# KiCad board panelized.kicad_pcb (continued)
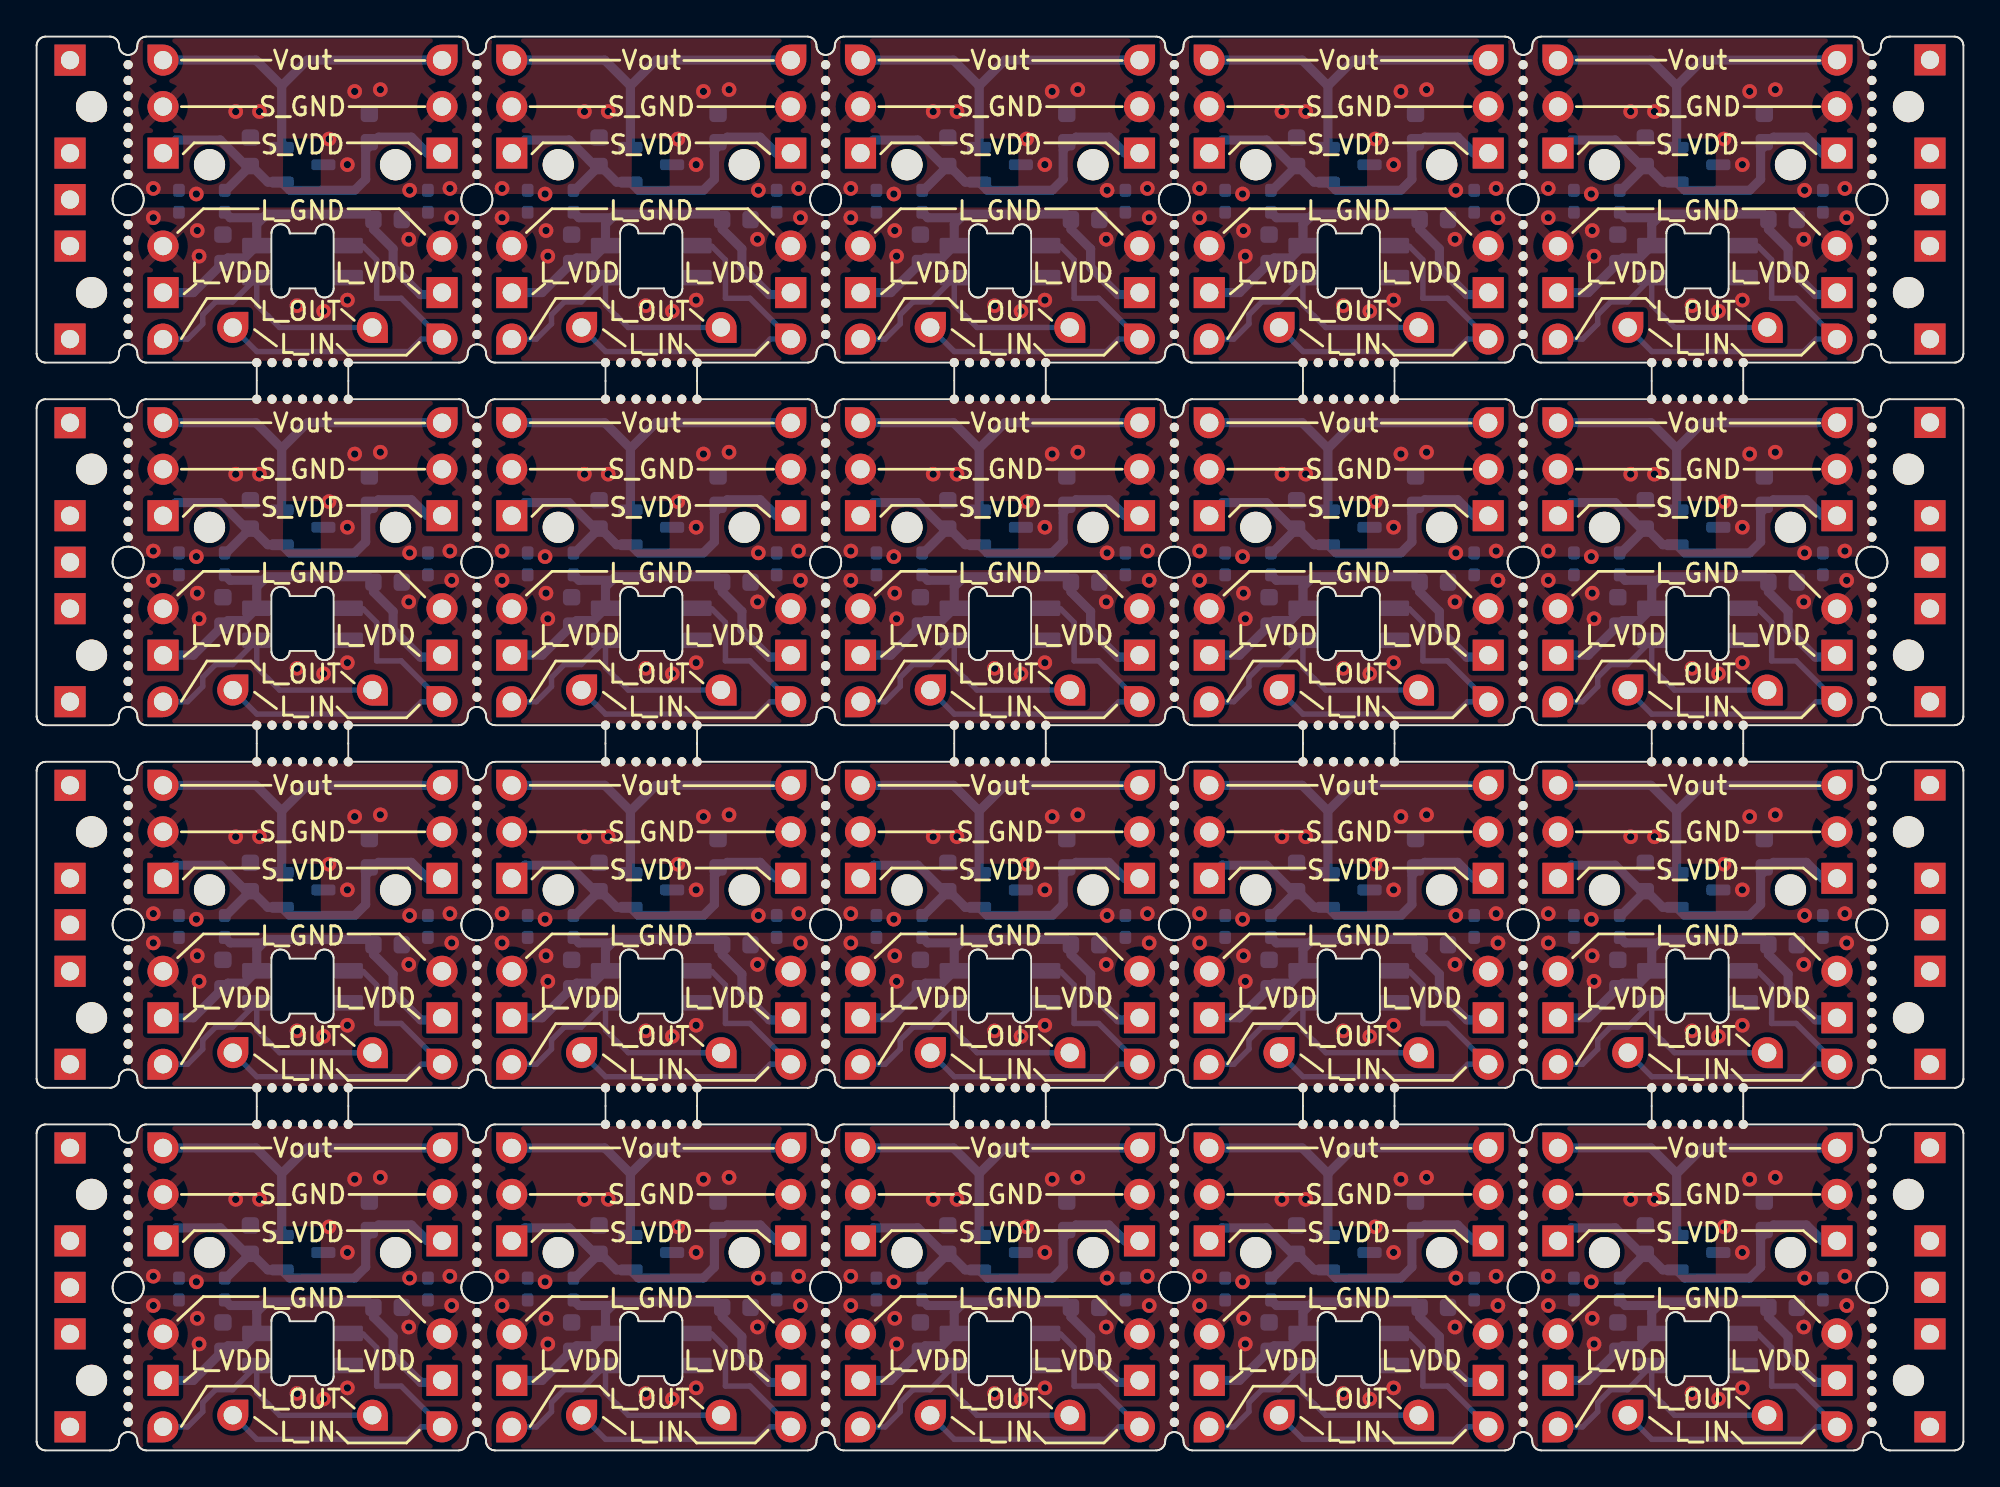
[diagram p0: board, top side]
## Placement (name value [footprint] x y rotation side) (continued)
REF**#373  -  [NPTH]  90.72 57.43 0 top
REF**#374  -  [NPTH]  51.79 19.81 0 top
REF**#375  -  [NPTH]  24.05 64.39 0 top
REF**#376  -  [NPTH]  24.05 3.25 0 top
REF**#377  -  [NPTH]  43.1 21.34 0 top
REF**#378  -  [NPTH]  33.57 39.62 0 top
REF**#379  -  [NPTH]  91.56 17.81 0 top
REF**#380  -  [NPTH]  81.2 10.27 0 top
REF**#381  -  [NPTH]  43.1 42.01 0 top
REF**#382  -  [NPTH]  62.15 49.89 0 top
REF**#383  -  [NPTH]  100.25 64.39 0 top
REF**#384  -  [NPTH]  70.84 39.62 0 top
REF**#385  -  [NPTH]  81.2 43.73 0 top
REF**#386  -  [NPTH]  100.25 72.28 0 top
REF**#387  -  [NPTH]  100.25 31.8 0 top
REF**#388  -  [NPTH]  12.03 57.43 0 top
REF**#389  -  [NPTH]  43.1 33.51 0 top
REF**#390  -  [NPTH]  81.2 42.01 0 top
REF**#391  -  [NPTH]  100.25 7.53 0 top
REF**#392  -  [NPTH]  73.34 39.62 0 top
REF**#393  -  [NPTH]  43.1 66.97 0 top
REF**#394  -  [NPTH]  5 44.58 0 top
REF**#395  -  [NPTH]  88.22 57.43 0 top
REF**#396  -  [NPTH]  100.25 66.11 0 top
REF**#397  -  [NPTH]  62.15 72.28 0 top
REF**#398  -  [NPTH]  17.03 19.81 0 top
REF**#399  -  [NPTH]  55.12 17.81 0 top
REF**#400  -  [NPTH]  100.25 14.56 0 top
REF**#401  -  [NPTH]  24.05 31.8 0 top
REF**#402  -  [NPTH]  70.84 19.81 0 top
REF**#403  -  [NPTH]  35.24 59.43 0 top
REF**#404  -  [NPTH]  5 54.18 0 top
REF**#405  -  [NPTH]  5 10.27 0 top
REF**#406  -  [NPTH]  81.2 46.3 0 top
REF**#407  -  [NPTH]  43.1 53.32 0 top
REF**#408  -  [NPTH]  62.15 23.06 0 top
REF**#409  -  [NPTH]  92.39 57.43 0 top
REF**#410  -  [NPTH]  100.25 11.99 0 top
REF**#411  -  [NPTH]  24.05 11.13 0 top
REF**#412  -  [NPTH]  88.22 17.81 0 top
REF**#413  -  [NPTH]  43.1 13.7 0 top
REF**#414  -  [NPTH]  100.25 47.15 0 top
REF**#415  -  [NPTH]  100.25 70.56 0 top
REF**#416  -  [NPTH]  43.1 30.94 0 top
REF**#417  -  [NPTH]  52.62 57.43 0 top
REF**#418  -  [NPTH]  93.22 57.43 0 top
REF**#419  -  [NPTH]  24.05 26.49 0 top
REF**#420  -  [NPTH]  81.2 27.34 0 top
REF**#421  -  [NPTH]  24.05 60.96 0 top
REF**#422  -  [NPTH]  5 72.28 0 top
REF**#423  -  [NPTH]  43.1 36.08 0 top
REF**#424  -  [NPTH]  24.05 5.82 0 top
REF**#425  -  [NPTH]  24.05 35.23 0 top
REF**#426  -  [NPTH]  17.03 37.62 0 top
REF**#427  -  [NPTH]  5 5.82 0 top
REF**#428  -  [NPTH]  43.1 7.53 0 top
REF**#429  -  [NPTH]  62.15 54.18 0 top
REF**#430  -  [NPTH]  62.15 12.85 0 top
REF**#431  -  [NPTH]  81.2 21.34 0 top
REF**#432  -  [NPTH]  43.1 71.42 0 top
REF**#433  -  [NPTH]  90.72 17.81 0 top
REF**#434  -  [NPTH]  62.15 60.96 0 top
REF**#435  -  [NPTH]  81.2 44.58 0 top
REF**#436  -  [NPTH]  62.15 11.13 0 top
REF**#437  -  [NPTH]  50.96 59.43 0 top
REF**#438  -  [NPTH]  5 60.96 0 top
REF**#439  -  [NPTH]  31.91 17.81 0 top
REF**#440  -  [NPTH]  88.22 37.62 0 top
REF**#441  -  [NPTH]  89.89 17.81 0 top
REF**#442  -  [NPTH]  74.18 17.81 0 top
REF**#443  -  [NPTH]  81.2 47.15 0 top
REF**#444  -  [NPTH]  100.25 30.08 0 top
REF**#445  -  [NPTH]  17.03 59.43 0 top
REF**#446  -  [NPTH]  62.15 75.7 0 top
REF**#447  -  [NPTH]  12.03 17.81 0 top
REF**#448  -  [NPTH]  24.05 69.7 0 top
REF**#449  -  [NPTH]  52.62 59.43 0 top
REF**#450  -  [NPTH]  15.36 59.43 0 top
REF**#451  -  [NPTH]  54.29 59.43 0 top
REF**#452  -  [NPTH]  93.22 19.81 0 top
REF**#453  -  [NPTH]  92.39 19.81 0 top
REF**#454  -  [NPTH]  62.15 42.87 0 top
REF**#455  -  [NPTH]  5 1.53 0 top
REF**#456  -  [NPTH]  81.2 3.25 0 top
REF**#457  -  [NPTH]  24.05 49.89 0 top
REF**#458  -  [NPTH]  13.69 19.81 0 top
REF**#459  -  [NPTH]  24.05 47.15 0 top
REF**#460  -  [NPTH]  74.18 39.62 0 top
REF**#461  -  [NPTH]  81.2 65.25 0 top
REF**#462  -  [NPTH]  15.36 17.81 0 top
REF**#463  -  [NPTH]  24.05 44.58 0 top
REF**#464  -  [NPTH]  13.69 17.81 0 top
REF**#465  -  [NPTH]  24.05 74.85 0 top
REF**#466  -  [NPTH]  81.2 49.89 0 top
REF**#467  -  [NPTH]  50.12 57.43 0 top
REF**#468  -  [NPTH]  5 69.7 0 top
REF**#469  -  [NPTH]  100.25 51.61 0 top
REF**#470  -  [NPTH]  17.03 57.43 0 top
REF**#471  -  [NPTH]  16.19 19.81 0 top
REF**#472  -  [NPTH]  100.25 42.87 0 top
REF**#473  -  [NPTH]  5 32.66 0 top
REF**#474  -  [NPTH]  81.2 23.92 0 top
REF**#475  -  [NPTH]  43.1 62.68 0 top
REF**#476  -  [NPTH]  89.89 37.62 0 top
REF**#477  -  [NPTH]  62.15 69.7 0 top
REF**#478  -  [NPTH]  69.18 17.81 0 top
REF**#479  -  [NPTH]  33.57 37.62 0 top
REF**#480  -  [NPTH]  62.15 66.11 0 top
REF**#481  -  [NPTH]  62.15 45.44 0 top
REF**#482  -  [NPTH]  81.2 69.7 0 top
REF**#483  -  [NPTH]  5 63.54 0 top
REF**#484  -  [NPTH]  24.05 16.27 0 top
REF**#485  -  [NPTH]  5 71.42 0 top
REF**#486  -  [NPTH]  100.25 73.99 0 top
REF**#487  -  [NPTH]  32.74 59.43 0 top
REF**#488  -  [NPTH]  62.15 2.39 0 top
REF**#489  -  [NPTH]  15.36 37.62 0 top
REF**#490  -  [NPTH]  100.25 44.58 0 top
REF**#491  -  [NPTH]  51.79 37.62 0 top
REF**#492  -  [NPTH]  43.1 5.82 0 top
REF**#493  -  [NPTH]  50.96 57.43 0 top
REF**#494  -  [NPTH]  81.2 61.82 0 top
REF**#495  -  [NPTH]  62.15 26.49 0 top
REF**#496  -  [NPTH]  81.2 72.28 0 top
REF**#497  -  [NPTH]  54.29 17.81 0 top
REF**#498  -  [NPTH]  43.1 64.39 0 top
REF**#499  -  [NPTH]  100.25 74.85 0 top
REF**#500  -  [NPTH]  24.05 4.96 0 top
REF**#501  -  [NPTH]  70.01 19.81 0 top
REF**#502  -  [NPTH]  62.15 30.94 0 top
REF**#503  -  [NPTH]  81.2 63.54 0 top
REF**#504  -  [NPTH]  17.03 39.62 0 top
REF**#505  -  [NPTH]  43.1 44.58 0 top
REF**#506  -  [NPTH]  90.72 59.43 0 top
REF**#507  -  [NPTH]  24.05 12.85 0 top
REF**#508  -  [NPTH]  43.1 73.99 0 top
REF**#509  -  [NPTH]  43.1 51.61 0 top
REF**#510  -  [NPTH]  92.39 37.62 0 top
REF**#511  -  [NPTH]  31.08 57.43 0 top
REF**#512  -  [NPTH]  62.15 51.61 0 top
REF**#513  -  [NPTH]  51.79 39.62 0 top
REF**#514  -  [NPTH]  32.74 17.81 0 top
REF**#515  -  [NPTH]  5 43.73 0 top
REF**#516  -  [NPTH]  5 73.99 0 top
REF**#517  -  [NPTH]  34.41 19.81 0 top
REF**#518  -  [NPTH]  100.25 73.13 0 top
REF**#519  -  [NPTH]  43.1 73.13 0 top
REF**#520  -  [NPTH]  43.1 16.27 0 top
REF**#521  -  [NPTH]  34.41 39.62 0 top
REF**#522  -  [NPTH]  100.25 42.01 0 top
REF**#523  -  [NPTH]  100.25 22.2 0 top
REF**#524  -  [NPTH]  24.05 1.53 0 top
REF**#525  -  [NPTH]  24.05 46.3 0 top
REF**#526  -  [NPTH]  31.91 19.81 0 top
REF**#527  -  [NPTH]  31.08 37.62 0 top
REF**#528  -  [NPTH]  73.34 17.81 0 top
REF**#529  -  [NPTH]  5 34.37 0 top
REF**#530  -  [NPTH]  43.1 6.68 0 top
REF**#531  -  [NPTH]  16.19 59.43 0 top
REF**#532  -  [NPTH]  89.06 39.62 0 top
REF**#533  -  [NPTH]  62.15 62.68 0 top
REF**#534  -  [NPTH]  55.12 39.62 0 top
REF**#535  -  [NPTH]  54.29 19.81 0 top
REF**#536  -  [NPTH]  91.56 57.43 0 top
REF**#537  -  [NPTH]  62.15 36.08 0 top
REF**#538  -  [NPTH]  62.15 14.56 0 top
REF**#539  -  [NPTH]  15.36 19.81 0 top
REF**#540  -  [NPTH]  81.2 54.18 0 top
REF**#541  -  [NPTH]  43.1 34.37 0 top
REF**#542  -  [NPTH]  5 36.08 0 top
REF**#543  -  [NPTH]  5 35.23 0 top
REF**#544  -  [NPTH]  81.2 55.89 0 top
REF**#545  -  [NPTH]  5 13.7 0 top
REF**#546  -  [NPTH]  24.05 53.32 0 top
REF**#547  -  [NPTH]  81.2 34.37 0 top
REF**#548  -  [NPTH]  72.51 17.81 0 top
REF**#549  -  [NPTH]  53.46 37.62 0 top
REF**#550  -  [NPTH]  72.51 19.81 0 top
REF**#551  -  [NPTH]  24.05 66.97 0 top
REF**#552  -  [NPTH]  81.2 31.8 0 top
REF**#553  -  [NPTH]  92.39 17.81 0 top
REF**#554  -  [NPTH]  69.18 59.43 0 top
REF**#555  -  [NPTH]  81.2 51.61 0 top
REF**#556  -  [NPTH]  24.05 71.42 0 top
REF**#557  -  [NPTH]  93.22 59.43 0 top
REF**#558  -  [NPTH]  5 73.13 0 top
REF**#559  -  [NPTH]  81.2 33.51 0 top
REF**#560  -  [NPTH]  81.2 64.39 0 top
REF**#561  -  [NPTH]  70.01 39.62 0 top
REF**#562  -  [NPTH]  89.89 39.62 0 top
REF**#563  -  [NPTH]  32.74 19.81 0 top
REF**#564  -  [NPTH]  5 27.34 0 top
REF**#565  -  [NPTH]  31.91 57.43 0 top
REF**#566  -  [NPTH]  12.86 37.62 0 top
REF**#567  -  [NPTH]  24.05 6.68 0 top
REF**#568  -  [NPTH]  43.1 26.49 0 top
REF**#569  -  [NPTH]  31.08 39.62 0 top
REF**#570  -  [NPTH]  62.15 5.82 0 top
REF**#571  -  [NPTH]  16.19 17.81 0 top
REF**#572  -  [NPTH]  24.05 41.15 0 top
REF**#573  -  [NPTH]  12.03 39.62 0 top
REF**#574  -  [NPTH]  62.15 15.42 0 top
REF**#575  -  [NPTH]  24.05 14.56 0 top
REF**#576  -  [NPTH]  24.05 54.18 0 top
REF**#577  -  [NPTH]  33.57 59.43 0 top
REF**#578  -  [NPTH]  62.15 50.75 0 top
REF**#579  -  [NPTH]  43.1 3.25 0 top
REF**#580  -  [NPTH]  55.12 19.81 0 top
REF**#581  -  [NPTH]  5 61.82 0 top
REF**#582  -  [NPTH]  100.25 4.11 0 top
REF**#583  -  [NPTH]  12.03 19.81 0 top
REF**#584  -  [NPTH]  73.34 57.43 0 top
REF**#585  -  [NPTH]  5 51.61 0 top
REF**#586  -  [NPTH]  71.68 57.43 0 top
REF**#587  -  [NPTH]  91.56 39.62 0 top
REF**#588  -  [NPTH]  90.72 37.62 0 top
REF**#589  -  [NPTH]  43.1 69.7 0 top
REF**#590  -  [NPTH]  81.2 11.99 0 top
REF**#591  -  [NPTH]  24.05 70.56 0 top
REF**#592  -  [NPTH]  100.25 2.39 0 top
REF**#593  -  [NPTH]  50.96 39.62 0 top
REF**#594  -  [NPTH]  5 14.56 0 top
SW  -  [SW_Lekker_MX_1.00u_PCB]  90.72 70.24 180 top
SW#2  -  [SW_Lekker_MX_1.00u_PCB]  52.62 30.62 180 top
SW#3  -  [SW_Lekker_MX_1.00u_PCB]  71.68 10.81 180 top
SW#4  -  [SW_Lekker_MX_1.00u_PCB]  14.53 70.24 180 top
SW#5  -  [SW_Lekker_MX_1.00u_PCB]  90.72 10.81 180 top
SW#6  -  [SW_Lekker_MX_1.00u_PCB]  14.53 30.62 180 top
SW#7  -  [SW_Lekker_MX_1.00u_PCB]  14.53 50.43 180 top
SW#8  -  [SW_Lekker_MX_1.00u_PCB]  14.53 10.81 180 top
SW#9  -  [SW_Lekker_MX_1.00u_PCB]  90.72 30.62 180 top
SW#10  -  [SW_Lekker_MX_1.00u_PCB]  33.57 70.24 180 top
SW#11  -  [SW_Lekker_MX_1.00u_PCB]  71.68 70.24 180 top
SW#12  -  [SW_Lekker_MX_1.00u_PCB]  71.68 50.43 180 top
SW#13  -  [SW_Lekker_MX_1.00u_PCB]  33.57 50.43 180 top
SW#14  -  [SW_Lekker_MX_1.00u_PCB]  52.62 50.43 180 top
SW#15  -  [SW_Lekker_MX_1.00u_PCB]  52.62 70.24 180 top
SW#16  -  [SW_Lekker_MX_1.00u_PCB]  33.57 30.62 180 top
SW#17  -  [SW_Lekker_MX_1.00u_PCB]  90.72 50.43 180 top
SW#18  -  [SW_Lekker_MX_1.00u_PCB]  71.68 30.62 180 top
SW#19  -  [SW_Lekker_MX_1.00u_PCB]  33.57 10.81 180 top
SW#20  -  [SW_Lekker_MX_1.00u_PCB]  52.62 10.81 180 top
U1  SLSS49E  [SOT-23-3]  52.62 70.24 0 bottom
U1#2  SLSS49E  [SOT-23-3]  52.62 50.43 0 bottom
U1#3  SLSS49E  [SOT-23-3]  14.53 30.62 0 bottom
U1#4  SLSS49E  [SOT-23-3]  14.53 50.43 0 bottom
U1#5  SLSS49E  [SOT-23-3]  71.68 50.43 0 bottom
U1#6  SLSS49E  [SOT-23-3]  52.62 30.62 0 bottom
U1#7  SLSS49E  [SOT-23-3]  33.57 30.62 0 bottom
U1#8  SLSS49E  [SOT-23-3]  33.57 50.43 0 bottom
U1#9  SLSS49E  [SOT-23-3]  90.72 70.24 0 bottom
U1#10  SLSS49E  [SOT-23-3]  90.72 50.43 0 bottom
U1#11  SLSS49E  [SOT-23-3]  14.53 70.24 0 bottom
U1#12  SLSS49E  [SOT-23-3]  71.68 10.81 0 bottom
U1#13  SLSS49E  [SOT-23-3]  71.68 30.62 0 bottom
U1#14  SLSS49E  [SOT-23-3]  90.72 30.62 0 bottom
U1#15  SLSS49E  [SOT-23-3]  33.57 10.81 0 bottom
U1#16  SLSS49E  [SOT-23-3]  52.62 10.81 0 bottom
U1#17  SLSS49E  [SOT-23-3]  14.53 10.81 0 bottom
U1#18  SLSS49E  [SOT-23-3]  33.57 70.24 0 bottom
U1#19  SLSS49E  [SOT-23-3]  90.72 10.81 0 bottom
U1#20  SLSS49E  [SOT-23-3]  71.68 70.24 0 bottom

## Library data of the parts
C1 C1#2-C1#20 C2 C2#2-C2#20 C3 C3#2-C3#20 C4 C4#2-C4#20 = -: Description: Unpolarized capacitor
J1 J1#2-J1#20 J2 J2#2-J2#20 J3 J3#2-J3#20 J4 J4#2-J4#20 J5 J5#2-J5#20 J6 J6#2-J6#20 J7 J7#2-J7#20 J8 J8#2-J8#20 J9 J9#2-J9#20 J10 J10#2-J10#20 J11 J11#2-J11#20 J12 J12#2-J12#20 J13 J13#2-J13#20 J14 J14#2-J14#20 = -: Description: Generic connector, single row, 01x01, script generated
R1 R1#2-R1#20 R2 R2#2-R2#20 R3 R3#2-R3#20 = -: Description: Resistor

## Footprints (pads in the part's own frame, mm; a bottom-side part is the same pattern mirrored in y, then rotated)
C_0603_1608Metric
  rrect 0.9x0.95 smd: 1(-0.775,0) 2(0.775,0)
NPTH
  round 0.5 hole 0.5 unplated: (0,0)
NPTH#2
  round 1.7 hole 1.7 unplated: (0,0)
PinHeader_1x01_P2.54mm_Vertical
  custom 1.7x1.7 hole 1: 1(0,0)
PinHeader_1x01_P2.54mm_Vertical#2
  rect 1.7x1.7 hole 1: 1(0,0)
PinHeader_1x01_P2.54mm_Vertical#3
  round 1.7 hole 1: 1(0,0)
R_0402_1005Metric_Pad0.72x0.64mm_HandSolder
  rrect 0.715x0.64 smd: 1(-0.598,0) 2(0.598,0)
SK6812_mini_e_flipable
  rrect 1.6x0.85 smd: 1(-2.5,-0.875) 2(-2.5,0.875) 3(2.5,0.875) 4(2.5,-0.875)
SOT-23-3
  rrect 1.325x0.6 smd: 1(-1.137,0.95) 2(-1.137,-0.95) 3(1.137,0)
SW_Lekker_MX_1.00u_PCB
  round 1.7 hole 1.7 unplated: (-5.08,0) (5.08,0)
unnamed
  rect 1.7x1.7 hole 1: 1(0,0)

## Nets
Board_0-GNDA: C3#10.1 C4#6.1 J3#14.1 J4#8.1 R1.2 R2#5.2 U1#11.3
Board_0-GNDD: C1#3.1 C2#4.1 D1#6.3 J7#4.1 J8#5.1 R1.1 R2#5.1
Board_0-LED_IN: D1#6.4 J13#11.1 J14#3.1
Board_0-LED_OUT: D1#6.2 J11#10.1 J12#13.1
Board_0-VDD: C1#3.2 C2#4.2 D1#6.1 J1#14.1 J2#8.1 R3#6.1
Board_0-VDDA: C3#10.2 C4#6.2 J5#3.1 J6#6.1 R3#6.2 U1#11.1
Board_0-Vout: J9#13.1 J10#17.1 U1#11.2
Board_1-GNDA: C3#13.1 C4#16.1 J3.1 J4#7.1 R1#10.2 R2#4.2 U1#18.3
Board_1-GNDD: C1#10.1 C2#10.1 D1#12.3 J7#16.1 J8.1 R1#10.1 R2#4.1
Board_1-LED_IN: D1#12.4 J13#16.1 J14#2.1
Board_1-LED_OUT: D1#12.2 J11#19.1 J12#10.1
Board_1-VDD: C1#10.2 C2#10.2 D1#12.1 J1#7.1 J2#3.1 R3#16.1
Board_1-VDDA: C3#13.2 C4#16.2 J5#7.1 J6.1 R3#16.2 U1#18.1
Board_1-Vout: J9#15.1 J10#2.1 U1#18.2
Board_2-GNDA: C3#17.1 C4#3.1 J3#2.1 J4#10.1 R1#11.2 R2#2.2 U1.3
Board_2-GNDD: C1#12.1 C2.1 D1#13.3 J7#3.1 J8#16.1 R1#11.1 R2#2.1
Board_2-LED_IN: D1#13.4 J13#20.1 J14#14.1
Board_2-LED_OUT: D1#13.2 J11#6.1 J12#16.1
Board_2-VDD: C1#12.2 C2.2 D1#13.1 J1#11.1 J2#11.1 R3#7.1
Board_2-VDDA: C3#17.2 C4#3.2 J5#2.1 J6#14.1 R3#7.2 U1.1
Board_2-Vout: J9#11.1 J10.1 U1.2
Board_3-GNDA: C3#11.1 C4#7.1 J3#17.1 J4#5.1 R1#2.2 R2#3.2 U1#20.3
Board_3-GNDD: C1#5.1 C2#19.1 D1#14.3 J7#15.1 J8#8.1 R1#2.1 R2#3.1
Board_3-LED_IN: D1#14.4 J13#3.1 J14.1
Board_3-LED_OUT: D1#14.2 J11#5.1 J12#15.1
Board_3-VDD: C1#5.2 C2#19.2 D1#14.1 J1#9.1 J2#13.1 R3#13.1
Board_3-VDDA: C3#11.2 C4#7.2 J5#6.1 J6#12.1 R3#13.2 U1#20.1
Board_3-Vout: J9#12.1 J10#4.1 U1#20.2
Board_4-GNDA: C3#12.1 C4.1 J3#4.1 J4#9.1 R1#3.2 R2#16.2 U1#9.3
Board_4-GNDD: C1#2.1 C2#9.1 D1#7.3 J7#7.1 J8#3.1 R1#3.1 R2#16.1
Board_4-LED_IN: D1#7.4 J13#10.1 J14#7.1
Board_4-LED_OUT: D1#7.2 J11#3.1 J12#14.1
Board_4-VDD: C1#2.2 C2#9.2 D1#7.1 J1#13.1 J2#10.1 R3#8.1
Board_4-VDDA: C3#12.2 C4.2 J5#4.1 J6#10.1 R3#8.2 U1#9.1
Board_4-Vout: J9#14.1 J10#6.1 U1#9.2
Board_5-GNDA: C3#2.1 C4#2.1 J3#3.1 J4#2.1 R1#9.2 R2#13.2 U1#4.3
Board_5-GNDD: C1#17.1 C2#16.1 D1#11.3 J7#2.1 J8#6.1 R1#9.1 R2#13.1
Board_5-LED_IN: D1#11.4 J13#18.1 J14#5.1
Board_5-LED_OUT: D1#11.2 J11#13.1 J12#11.1
Board_5-VDD: C1#17.2 C2#16.2 D1#11.1 J1#15.1 J2#6.1 R3#3.1
Board_5-VDDA: C3#2.2 C4#2.2 J5.1 J6#13.1 R3#3.2 U1#4.1
Board_5-Vout: J9#17.1 J10#13.1 U1#4.2
Board_6-GNDA: C3#14.1 C4#11.1 J3#13.1 J4#12.1 R1#8.2 R2#15.2 U1#8.3
Board_6-GNDD: C1#13.1 C2#7.1 D1#5.3 J7#11.1 J8#19.1 R1#8.1 R2#15.1
Board_6-LED_IN: D1#5.4 J13#17.1 J14#16.1
Board_6-LED_OUT: D1#5.2 J11.1 J12#2.1
Board_6-VDD: C1#13.2 C2#7.2 D1#5.1 J1#3.1 J2#7.1 R3#10.1
Board_6-VDDA: C3#14.2 C4#11.2 J5#17.1 J6#3.1 R3#10.2 U1#8.1
Board_6-Vout: J9#20.1 J10#15.1 U1#8.2
Board_7-GNDA: C3#15.1 C4#20.1 J3#10.1 J4#3.1 R1#13.2 R2#11.2 U1#2.3
Board_7-GNDD: C1#15.1 C2#15.1 D1#15.3 J7#14.1 J8#15.1 R1#13.1 R2#11.1
Board_7-LED_IN: D1#15.4 J13#13.1 J14#9.1
Board_7-LED_OUT: D1#15.2 J11#16.1 J12#8.1
Board_7-VDD: C1#15.2 C2#15.2 D1#15.1 J1#19.1 J2#19.1 R3#2.1
Board_7-VDDA: C3#15.2 C4#20.2 J5#18.1 J6#4.1 R3#2.2 U1#2.1
Board_7-Vout: J9#10.1 J10#11.1 U1#2.2
Board_8-GNDA: C3#9.1 C4#4.1 J3#12.1 J4.1 R1#7.2 R2#17.2 U1#5.3
Board_8-GNDD: C1#19.1 C2#18.1 D1#16.3 J7#13.1 J8#20.1 R1#7.1 R2#17.1
Board_8-LED_IN: D1#16.4 J13#14.1 J14#19.1
Board_8-LED_OUT: D1#16.2 J11#14.1 J12#17.1
Board_8-VDD: C1#19.2 C2#18.2 D1#16.1 J1#10.1 J2#12.1 R3#4.1
Board_8-VDDA: C3#9.2 C4#4.2 J5#19.1 J6#17.1 R3#4.2 U1#5.1
Board_8-Vout: J9#9.1 J10#7.1 U1#5.2
Board_9-GNDA: C3#8.1 C4#9.1 J3#6.1 J4#6.1 R1#18.2 R2.2 U1#10.3
Board_9-GNDD: C1#14.1 C2#3.1 D1#4.3 J7.1 J8#11.1 R1#18.1 R2.1
Board_9-LED_IN: D1#4.4 J13#5.1 J14#6.1
Board_9-LED_OUT: D1#4.2 J11#8.1 J12#19.1
Board_9-VDD: C1#14.2 C2#3.2 D1#4.1 J1#6.1 J2#17.1 R3#17.1
Board_9-VDDA: C3#8.2 C4#9.2 J5#5.1 J6#8.1 R3#17.2 U1#10.1
Board_9-Vout: J9#6.1 J10#3.1 U1#10.2
Board_10-GNDA: C3#7.1 C4#15.1 J3#20.1 J4#16.1 R1#15.2 R2#12.2 U1#3.3
Board_10-GNDD: C1#4.1 C2#13.1 D1#18.3 J7#10.1 J8#17.1 R1#15.1 R2#12.1
Board_10-LED_IN: D1#18.4 J13#9.1 J14#11.1
Board_10-LED_OUT: D1#18.2 J11#15.1 J12#6.1
Board_10-VDD: C1#4.2 C2#13.2 D1#18.1 J1#2.1 J2#20.1 R3#14.1
Board_10-VDDA: C3#7.2 C4#15.2 J5#10.1 J6#11.1 R3#14.2 U1#3.1
Board_10-Vout: J9.1 J10#18.1 U1#3.2
Board_11-GNDA: C3.1 C4#12.1 J3#9.1 J4#17.1 R1#14.2 R2#20.2 U1#7.3
Board_11-GNDD: C1#7.1 C2#11.1 D1#19.3 J7#18.1 J8#10.1 R1#14.1 R2#20.1
Board_11-LED_IN: D1#19.4 J13#19.1 J14#12.1
Board_11-LED_OUT: D1#19.2 J11#9.1 J12#18.1
Board_11-VDD: C1#7.2 C2#11.2 D1#19.1 J1#20.1 J2#5.1 R3#15.1
Board_11-VDDA: C3.2 C4#12.2 J5#16.1 J6#18.1 R3#15.2 U1#7.1
Board_11-Vout: J9#2.1 J10#19.1 U1#7.2
Board_12-GNDA: C3#5.1 C4#8.1 J3#16.1 J4#11.1 R1#5.2 R2#10.2 U1#6.3
Board_12-GNDD: C1.1 C2#6.1 D1#10.3 J7#17.1 J8#9.1 R1#5.1 R2#10.1
Board_12-LED_IN: D1#10.4 J13.1 J14#8.1
Board_12-LED_OUT: D1#10.2 J11#11.1 J12#7.1
Board_12-VDD: C1.2 C2#6.2 D1#10.1 J1#16.1 J2#4.1 R3#5.1
Board_12-VDDA: C3#5.2 C4#8.2 J5#8.1 J6#16.1 R3#5.2 U1#6.1
Board_12-Vout: J9#19.1 J10#14.1 U1#6.2
Board_13-GNDA: C3#18.1 C4#18.1 J3#7.1 J4#18.1 R1#12.2 R2#14.2 U1#13.3
Board_13-GNDD: C1#20.1 C2#12.1 D1#20.3 J7#9.1 J8#4.1 R1#12.1 R2#14.1
Board_13-LED_IN: D1#20.4 J13#2.1 J14#10.1
Board_13-LED_OUT: D1#20.2 J11#12.1 J12#3.1
Board_13-VDD: C1#20.2 C2#12.2 D1#20.1 J1#12.1 J2#18.1 R3#20.1
Board_13-VDDA: C3#18.2 C4#18.2 J5#12.1 J6#9.1 R3#20.2 U1#13.1
Board_13-Vout: J9#18.1 J10#16.1 U1#13.2
Board_14-GNDA: C3#3.1 C4#10.1 J3#8.1 J4#14.1 R1#4.2 R2#18.2 U1#14.3
Board_14-GNDD: C1#6.1 C2#17.1 D1#17.3 J7#5.1 J8#7.1 R1#4.1 R2#18.1
Board_14-LED_IN: D1#17.4 J13#12.1 J14#17.1
Board_14-LED_OUT: D1#17.2 J11#4.1 J12#9.1
Board_14-VDD: C1#6.2 C2#17.2 D1#17.1 J1.1 J2.1 R3#18.1
Board_14-VDDA: C3#3.2 C4#10.2 J5#14.1 J6#15.1 R3#18.2 U1#14.1
Board_14-Vout: J9#5.1 J10#8.1 U1#14.2
Board_15-GNDA: C3#16.1 C4#14.1 J3#15.1 J4#19.1 R1#16.2 R2#9.2 U1#17.3
Board_15-GNDD: C1#9.1 C2#5.1 D1#9.3 J7#19.1 J8#12.1 R1#16.1 R2#9.1
Board_15-LED_IN: D1#9.4 J13#7.1 J14#15.1
Board_15-LED_OUT: D1#9.2 J11#18.1 J12#4.1
Board_15-VDD: C1#9.2 C2#5.2 D1#9.1 J1#17.1 J2#2.1 R3#9.1
Board_15-VDDA: C3#16.2 C4#14.2 J5#13.1 J6#2.1 R3#9.2 U1#17.1
Board_15-Vout: J9#7.1 J10#12.1 U1#17.2
Board_16-GNDA: C3#4.1 C4#13.1 J3#11.1 J4#15.1 R1#19.2 R2#7.2 U1#15.3
Board_16-GNDD: C1#11.1 C2#8.1 D1#3.3 J7#8.1 J8#13.1 R1#19.1 R2#7.1
Board_16-LED_IN: D1#3.4 J13#6.1 J14#13.1
Board_16-LED_OUT: D1#3.2 J11#7.1 J12.1
Board_16-VDD: C1#11.2 C2#8.2 D1#3.1 J1#4.1 J2#15.1 R3#12.1
Board_16-VDDA: C3#4.2 C4#13.2 J5#11.1 J6#20.1 R3#12.2 U1#15.1
Board_16-Vout: J9#4.1 J10#9.1 U1#15.2
Board_17-GNDA: C3#20.1 C4#17.1 J3#5.1 J4#13.1 R1#17.2 R2#19.2 U1#16.3
Board_17-GNDD: C1#18.1 C2#14.1 D1#8.3 J7#20.1 J8#18.1 R1#17.1 R2#19.1
Board_17-LED_IN: D1#8.4 J13#4.1 J14#18.1
Board_17-LED_OUT: D1#8.2 J11#2.1 J12#20.1
Board_17-VDD: C1#18.2 C2#14.2 D1#8.1 J1#5.1 J2#9.1 R3#19.1
Board_17-VDDA: C3#20.2 C4#17.2 J5#15.1 J6#7.1 R3#19.2 U1#16.1
Board_17-Vout: J9#3.1 J10#5.1 U1#16.2
Board_18-GNDA: C3#6.1 C4#5.1 J3#19.1 J4#4.1 R1#6.2 R2#6.2 U1#12.3
Board_18-GNDD: C1#16.1 C2#2.1 D1.3 J7#12.1 J8#2.1 R1#6.1 R2#6.1
Board_18-LED_IN: D1.4 J13#8.1 J14#4.1
Board_18-LED_OUT: D1.2 J11#17.1 J12#12.1
Board_18-VDD: C1#16.2 C2#2.2 D1.1 J1#8.1 J2#16.1 R3.1
Board_18-VDDA: C3#6.2 C4#5.2 J5#9.1 J6#5.1 R3.2 U1#12.1
Board_18-Vout: J9#16.1 J10#10.1 U1#12.2
Board_19-GNDA: C3#19.1 C4#19.1 J3#18.1 J4#20.1 R1#20.2 R2#8.2 U1#19.3
Board_19-GNDD: C1#8.1 C2#20.1 D1#2.3 J7#6.1 J8#14.1 R1#20.1 R2#8.1
Board_19-LED_IN: D1#2.4 J13#15.1 J14#20.1
Board_19-LED_OUT: D1#2.2 J11#20.1 J12#5.1
Board_19-VDD: C1#8.2 C2#20.2 D1#2.1 J1#18.1 J2#14.1 R3#11.1
Board_19-VDDA: C3#19.2 C4#19.2 J5#20.1 J6#19.1 R3#11.2 U1#19.1
Board_19-Vout: J9#8.1 J10#20.1 U1#19.2

Pads without a net: NOREF 1; NOREF#2 1; NOREF#3 1; NOREF#4 1; NOREF#5 1; NOREF#6 1; NOREF#7 1; NOREF#8 1; NOREF#9 1; NOREF#10 1; NOREF#11 1; NOREF#12 1; NOREF#13 1; NOREF#14 1; NOREF#15 1; NOREF#16 1; NOREF#17 1; NOREF#18 1; NOREF#19 1; NOREF#20 1; NOREF#21 1; NOREF#22 1; NOREF#23 1; NOREF#24 1; NOREF#25 1; NOREF#26 1; NOREF#27 1; NOREF#28 1; NOREF#29 1; NOREF#30 1; NOREF#31 1; NOREF#32 1; NOREF#33 1; NOREF#34 1; NOREF#35 1; NOREF#36 1; NOREF#37 1; NOREF#38 1; NOREF#39 1; NOREF#40 1

## Via types
v1: diameter 0.8, hole 0.4, Top to Bottom, 360 vias

## Routing (per net, layer and track width the routed paths; a pad name or vN(x,y) marks a point on that pad's centre or on a via; arc(x,y) is an arc through that point)
Board_0-GNDA:
  vias: v1(6.38,68.94) v1(8.72,68.64) v1(10.88,73.14) v1(12.17,73.14) v1(15.97,71.64) v1(16.97,70.24) v1(17.38,74.24) v1(18.78,74.34) v1(20.38,68.84) v1(22.58,68.94)
Board_0-GNDD:
  vias: v1(6.38,67.34) v1(8.78,66.64) v1(8.88,65.24) v1(14.22,62.54) v1(15.67,62.24) v1(16.97,62.84) v1(20.33,66.17) v1(22.67,67.34)
Board_0-LED_IN: length 20.7
  Bottom w0.3: J13#11.1 12.03,60.03 20.34,60.03 21.02,60.71 J14#3.1 19.92,62.94 18.58,62.94 18.58,65.04 17.84,65.78 17.07,65.78 D1#6.4 17.04,65.82
Board_0-LED_OUT: length 15.1
  Bottom w0.3: J12#13.1 8.25,60.71 9.08,61.54 9.08,62.04 9.78,62.74 10.7,62.74 D1#6.2 12.03,62.58 12.62,61.98 12.64,61.98 13.27,61.35 J11#10.1
Board_0-VDD: length 22.7
  Bottom w0.5: R3#6.1 10.58,67.34 12.38,67.34 ; J1#14.1 22.03,63.14 20.97,63.14 19.47,64.64 19.47,65.64 18.4,66.72 18.4,67.24 18.11,67.54 12.57,67.54 12.38,67.34 ; 12.38,67.34 12.03,66.99 D1#6.1 11.35,65.14 10.45,65.14 C1#3.2 8.56,63.25 J2#8.1
Board_0-VDDA: length 21.1
  Bottom w0.5: R3#6.2 10.35,68.84 C4#6.2 ; J6#6.1 21.34,70.88 20.47,71.74 18.67,71.74 17.97,71.04 17.97,69.44 17.38,68.84 13.83,68.84 U1#11.1 12.63,69.29 11.75,70.17 C4#6.2 ; C4#6.2 11.45,70.17 10.03,71.59 7.62,71.59 J5#3.1
Board_0-Vout: length 19.8
  Bottom w0.5: 13.39,74.55 11.98,75.95 J10#17.1 ; 13.39,74.55 14.79,75.95 J9#13.1 ; 13.39,74.55 U1#11.2
Board_1-GNDA:
  vias: v1(25.42,68.94) v1(27.78,68.64) v1(29.92,73.14) v1(31.22,73.14) v1(35.03,71.64) v1(36.03,70.24) v1(36.43,74.24) v1(37.82,74.34) v1(39.43,68.84) v1(41.62,68.94)
Board_1-GNDD:
  vias: v1(25.42,67.34) v1(27.83,66.64) v1(27.92,65.24) v1(33.28,62.54) v1(34.72,62.24) v1(36.03,62.84) v1(39.38,66.17) v1(41.72,67.34)
Board_1-LED_IN: length 20.7
  Bottom w0.3: J13#16.1 31.08,60.03 39.39,60.03 40.07,60.71 J14#2.1 38.97,62.94 37.62,62.94 37.62,65.04 36.89,65.78 36.12,65.78 D1#12.4 36.09,65.82
Board_1-LED_OUT: length 15.1
  Bottom w0.3: J12#10.1 27.3,60.71 28.12,61.54 28.12,62.04 28.83,62.74 29.75,62.74 D1#12.2 31.08,62.58 31.67,61.98 31.69,61.98 32.32,61.35 J11#19.1
Board_1-VDD: length 22.7
  Bottom w0.5: R3#16.1 29.63,67.34 31.42,67.34 ; J1#7.1 41.09,63.14 40.03,63.14 38.53,64.64 38.53,65.64 37.45,66.72 C2#10.2 37.16,67.54 31.62,67.54 31.42,67.34 ; 31.42,67.34 31.08,66.99 D1#12.1 30.4,65.14 29.5,65.14 C1#10.2 27.61,63.25 J2#3.1
Board_1-VDDA: length 21.1
  Bottom w0.5: R3#16.2 29.4,68.84 C4#16.2 ; J6.1 40.4,70.88 39.53,71.74 37.72,71.74 37.03,71.04 37.03,69.44 36.43,68.84 32.88,68.84 U1#18.1 31.68,69.29 30.8,70.17 C4#16.2 ; C4#16.2 30.5,70.17 29.08,71.59 26.67,71.59 J5#7.1
Board_1-Vout: length 19.8
  Bottom w0.5: 32.44,74.55 31.03,75.95 J10#2.1 ; 32.44,74.55 33.84,75.95 J9#15.1 ; 32.44,74.55 U1#18.2
Board_2-GNDA:
  vias: v1(44.47,68.94) v1(46.82,68.64) v1(48.97,73.14) v1(50.28,73.14) v1(54.07,71.64) v1(55.07,70.24) v1(55.47,74.24) v1(56.88,74.34) v1(58.47,68.84) v1(60.68,68.94)
Board_2-GNDD:
  vias: v1(44.47,67.34) v1(46.88,66.64) v1(46.97,65.24) v1(52.32,62.54) v1(53.78,62.24) v1(55.07,62.84) v1(58.43,66.17) v1(60.78,67.34)
Board_2-LED_IN: length 20.7
  Bottom w0.3: J13#20.1 50.13,60.03 58.44,60.03 59.12,60.71 J14#14.1 58.01,62.94 56.68,62.94 56.68,65.04 55.94,65.78 55.17,65.78 D1#13.4 55.14,65.82
Board_2-LED_OUT: length 15.1
  Bottom w0.3: J12#16.1 46.34,60.71 47.18,61.54 47.18,62.04 47.88,62.74 48.8,62.74 D1#13.2 50.12,62.58 50.72,61.98 50.74,61.98 51.37,61.35 J11#6.1
Board_2-VDD: length 22.7
  Bottom w0.5: R3#7.1 48.68,67.34 50.47,67.34 ; J1#11.1 60.13,63.14 59.07,63.14 57.57,64.64 57.57,65.64 56.5,66.72 C2.2 56.21,67.54 50.67,67.54 50.47,67.34 ; 50.47,67.34 50.12,66.99 D1#13.1 49.45,65.14 48.55,65.14 C1#12.2 46.66,63.25 J2#11.1
Board_2-VDDA: length 21.1
  Bottom w0.5: R3#7.2 48.45,68.84 C4#3.2 ; J6#14.1 59.44,70.88 58.57,71.74 56.78,71.74 56.07,71.04 56.07,69.44 55.47,68.84 51.93,68.84 U1.1 50.73,69.29 49.85,70.17 C4#3.2 ; C4#3.2 49.55,70.17 48.13,71.59 45.72,71.59 J5#2.1
Board_2-Vout: length 19.8
  Bottom w0.5: 51.49,74.55 50.09,75.95 J10.1 ; 51.49,74.55 52.89,75.95 J9#11.1 ; 51.49,74.55 U1.2
Board_3-GNDA:
  vias: v1(63.53,68.94) v1(65.88,68.64) v1(68.03,73.14) v1(69.32,73.14) v1(73.12,71.64) v1(74.12,70.24) v1(74.53,74.24) v1(75.93,74.34) v1(77.53,68.84) v1(79.72,68.94)
Board_3-GNDD:
  vias: v1(63.53,67.34) v1(65.93,66.64) v1(66.03,65.24) v1(71.38,62.54) v1(72.82,62.24) v1(74.12,62.84) v1(77.48,66.17) v1(79.82,67.34)
Board_3-LED_IN: length 20.7
  Bottom w0.3: J13#3.1 69.18,60.03 77.49,60.03 78.17,60.71 J14.1 77.06,62.94 75.72,62.94 75.72,65.04 74.99,65.78 74.22,65.78 D1#14.4 74.19,65.82
Board_3-LED_OUT: length 15.1
  Bottom w0.3: J12#15.1 65.4,60.71 66.22,61.54 66.22,62.04 66.93,62.74 67.85,62.74 D1#14.2 69.18,62.58 69.77,61.98 69.78,61.98 70.42,61.35 J11#5.1
Board_3-VDD: length 22.7
  Bottom w0.5: R3#13.1 67.73,67.34 69.53,67.34 ; J1#9.1 79.19,63.14 78.12,63.14 76.62,64.64 76.62,65.64 75.55,66.72 C2#19.2 75.25,67.54 69.72,67.54 69.53,67.34 ; 69.53,67.34 69.18,66.99 D1#14.1 68.5,65.14 67.6,65.14 C1#5.2 65.71,63.25 J2#13.1